# Altium PCB 滑板车模块 - 拼板.PcbDoc (part 8 of 8) (continued)
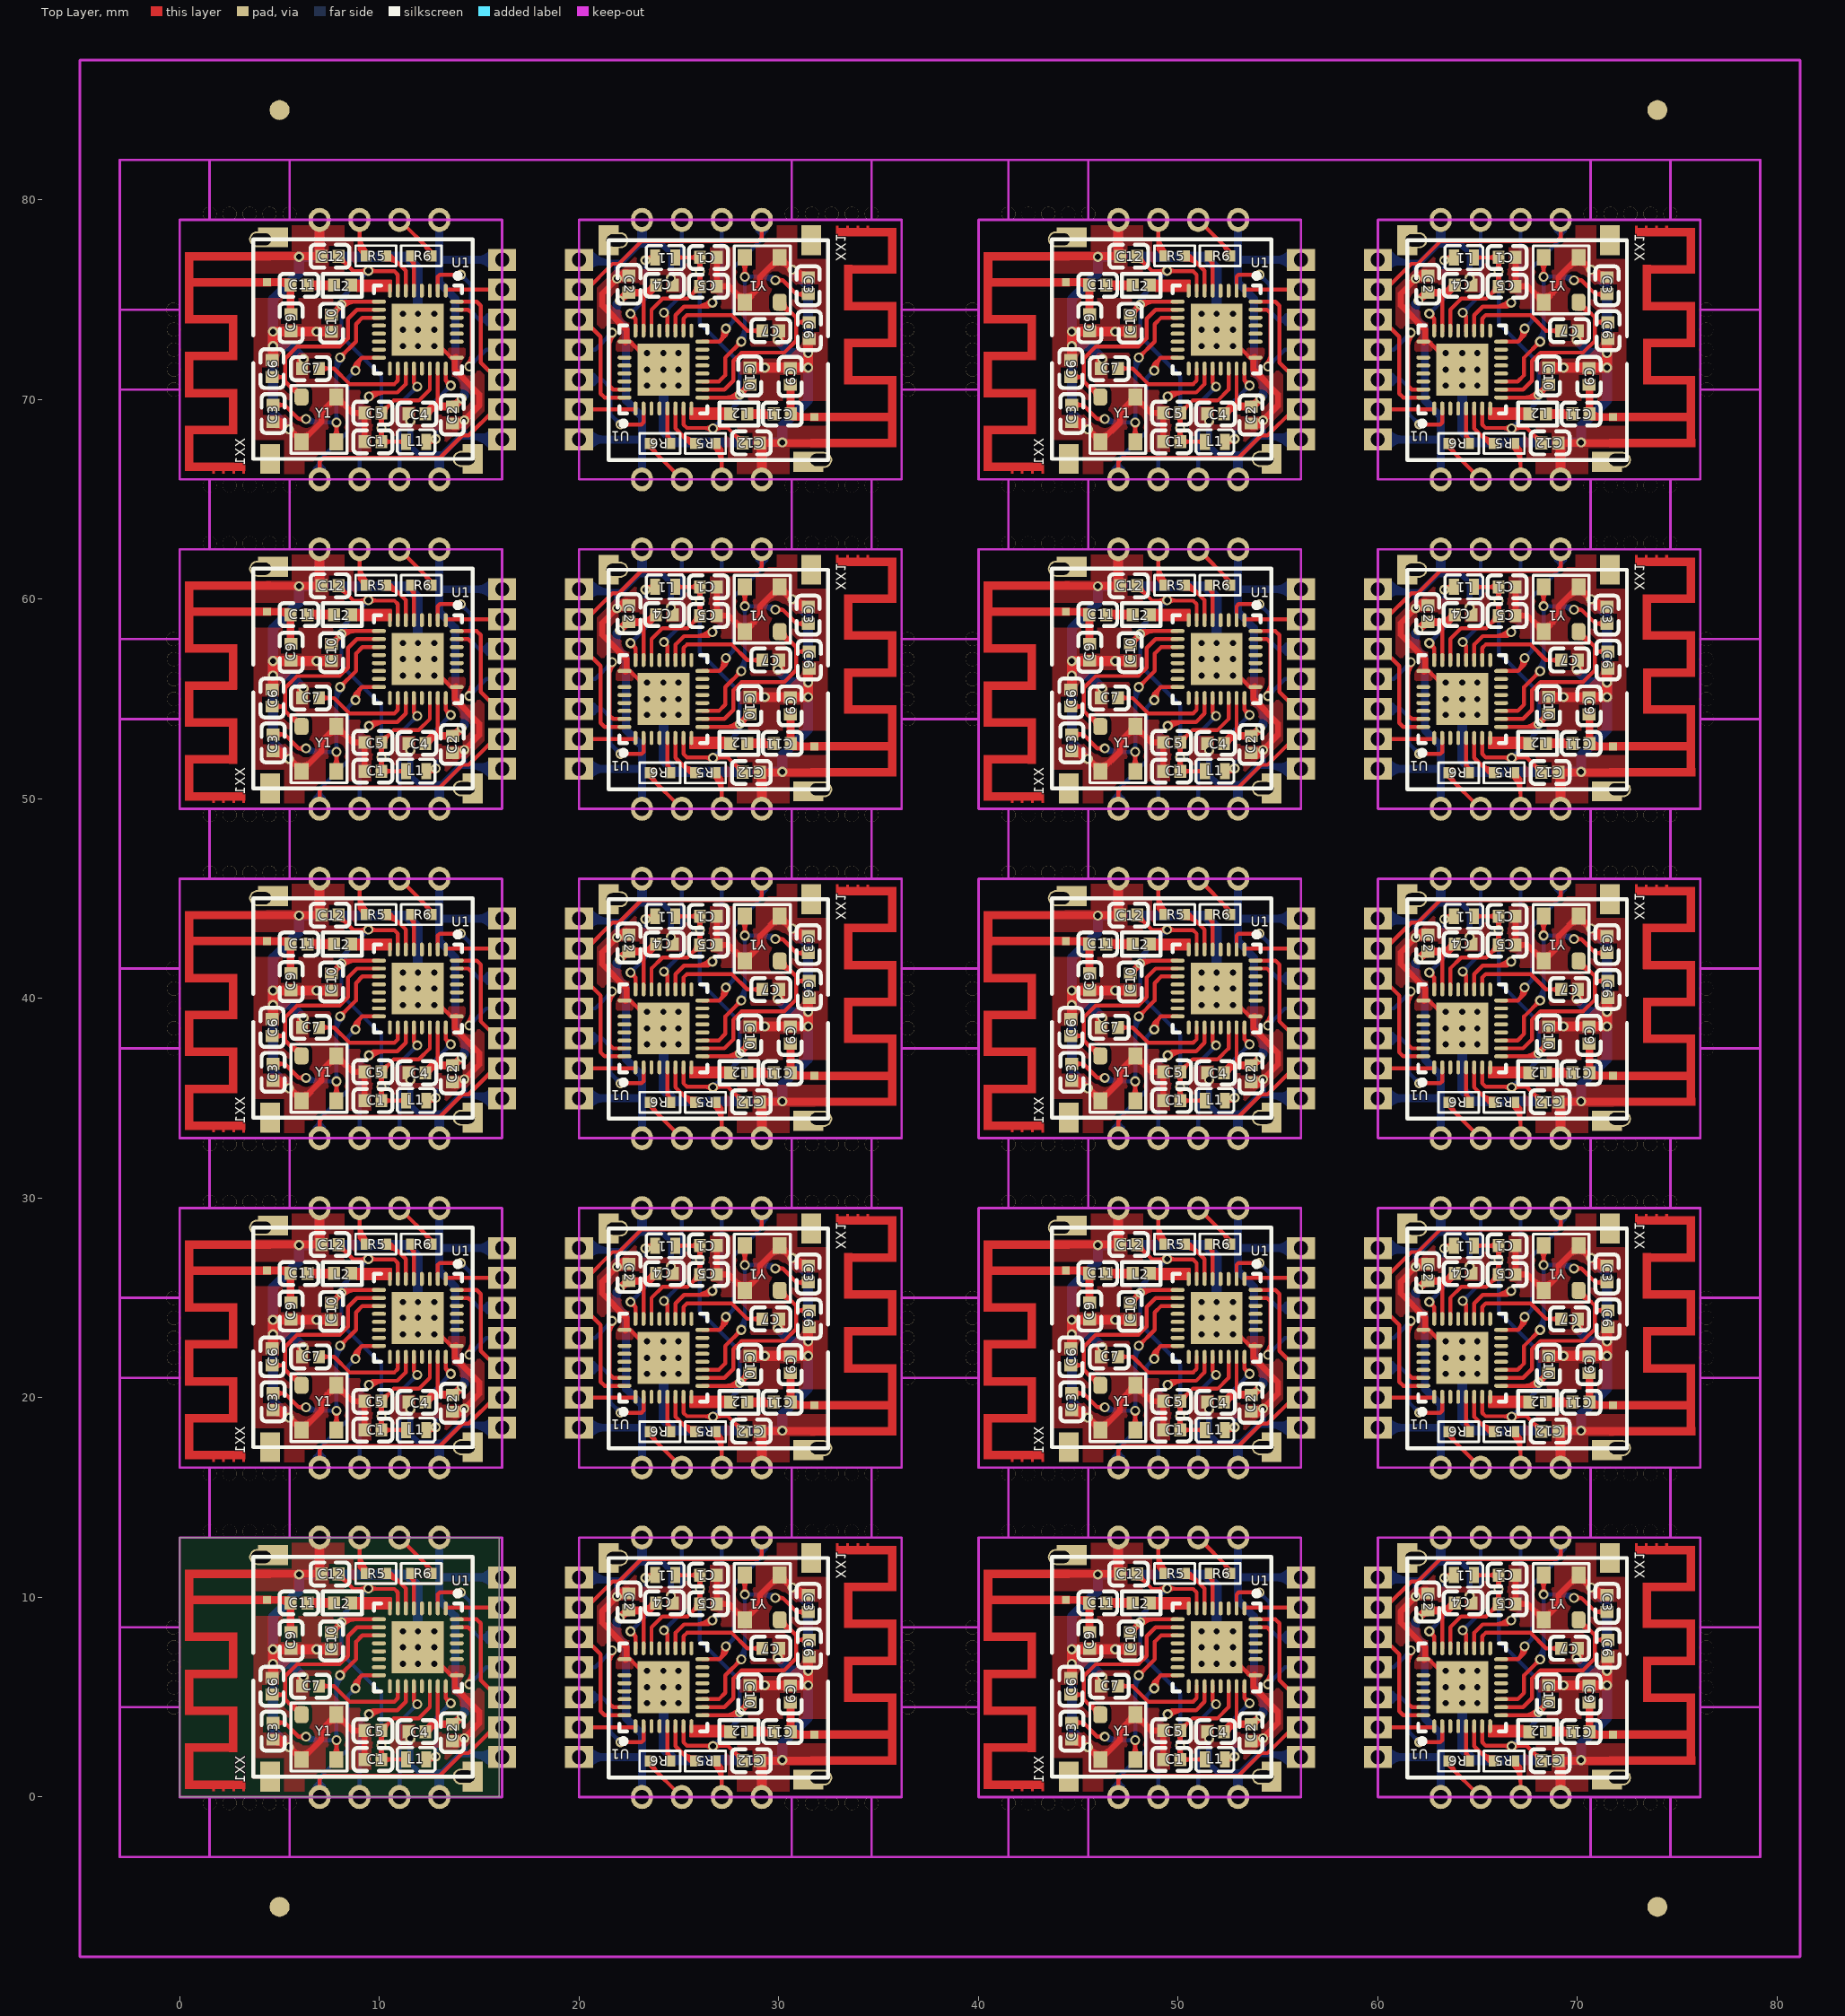
[diagram p0: Top Layer view]
## Keep-outs (continued)

## Other copper
Top Layer:
  pour cut-out: 72.45,68.675 72.45,69.925 65.425,69.925 65.425,69.125 65.875,68.675
  region net NetL2_2: 67.3,69 65.55,69 65.525,69.025 65.525,69.6 67.3,69.6
  pour cut-out: 76.15,66 72.45,66 72.45,79 76.15,79
  pour cut-out: 72.45,52.175 72.45,53.425 65.425,53.425 65.425,52.625 65.875,52.175
  region net NetL2_2: 67.3,52.5 65.55,52.5 65.525,52.525 65.525,53.1 67.3,53.1
  pour cut-out: 76.15,49.5 72.45,49.5 72.45,62.5 76.15,62.5
  pour cut-out: 72.45,35.675 72.45,36.925 65.425,36.925 65.425,36.125 65.875,35.675
  region net NetL2_2: 67.3,36 65.55,36 65.525,36.025 65.525,36.6 67.3,36.6
  pour cut-out: 76.15,33 72.45,33 72.45,46 76.15,46
  pour cut-out: 72.45,19.175 72.45,20.425 65.425,20.425 65.425,19.625 65.875,19.175
  region net NetL2_2: 67.3,19.5 65.55,19.5 65.525,19.525 65.525,20.1 67.3,20.1
  pour cut-out: 76.15,16.5 72.45,16.5 72.45,29.5 76.15,29.5
  pour cut-out: 72.45,2.675 72.45,3.925 65.425,3.925 65.425,3.125 65.875,2.675
  region net NetL2_2: 67.3,3 65.55,3 65.525,3.025 65.525,3.6 67.3,3.6
  pour cut-out: 76.15,0 72.45,0 72.45,13 76.15,13
  pour cut-out: 32.45,68.675 32.45,69.925 25.425,69.925 25.425,69.125 25.875,68.675
  region net NetL2_2: 27.3,69 25.55,69 25.525,69.025 25.525,69.6 27.3,69.6
  pour cut-out: 36.15,66 32.45,66 32.45,79 36.15,79
  pour cut-out: 32.45,52.175 32.45,53.425 25.425,53.425 25.425,52.625 25.875,52.175
  region net NetL2_2: 27.3,52.5 25.55,52.5 25.525,52.525 25.525,53.1 27.3,53.1
  pour cut-out: 36.15,49.5 32.45,49.5 32.45,62.5 36.15,62.5
  pour cut-out: 32.45,35.675 32.45,36.925 25.425,36.925 25.425,36.125 25.875,35.675
  region net NetL2_2: 27.3,36 25.55,36 25.525,36.025 25.525,36.6 27.3,36.6
  pour cut-out: 36.15,33 32.45,33 32.45,46 36.15,46
  pour cut-out: 32.45,19.175 32.45,20.425 25.425,20.425 25.425,19.625 25.875,19.175
  region net NetL2_2: 27.3,19.5 25.55,19.5 25.525,19.525 25.525,20.1 27.3,20.1
  pour cut-out: 36.15,16.5 32.45,16.5 32.45,29.5 36.15,29.5
  pour cut-out: 32.45,2.675 32.45,3.925 25.425,3.925 25.425,3.125 25.875,2.675
  region net NetL2_2: 27.3,3 25.55,3 25.525,3.025 25.525,3.6 27.3,3.6
  pour cut-out: 36.15,0 32.45,0 32.45,13 36.15,13
  pour cut-out: 43.7,76.325 43.7,75.075 50.725,75.075 50.725,75.875 50.275,76.325
  region net NetL2_2: 48.85,76 50.6,76 50.625,75.975 50.625,75.4 48.85,75.4
  pour cut-out: 40,79 43.7,79 43.7,66 40,66
  pour cut-out: 43.7,59.825 43.7,58.575 50.725,58.575 50.725,59.375 50.275,59.825
  region net NetL2_2: 48.85,59.5 50.6,59.5 50.625,59.475 50.625,58.9 48.85,58.9
  pour cut-out: 40,62.5 43.7,62.5 43.7,49.5 40,49.5
  pour cut-out: 43.7,43.325 43.7,42.075 50.725,42.075 50.725,42.875 50.275,43.325
  region net NetL2_2: 48.85,43 50.6,43 50.625,42.975 50.625,42.4 48.85,42.4
  pour cut-out: 40,46 43.7,46 43.7,33 40,33
  pour cut-out: 43.7,26.825 43.7,25.575 50.725,25.575 50.725,26.375 50.275,26.825
  region net NetL2_2: 48.85,26.5 50.6,26.5 50.625,26.475 50.625,25.9 48.85,25.9
  pour cut-out: 40,29.5 43.7,29.5 43.7,16.5 40,16.5
  pour cut-out: 43.7,10.325 43.7,9.075 50.725,9.075 50.725,9.875 50.275,10.325
  region net NetL2_2: 48.85,10 50.6,10 50.625,9.975 50.625,9.4 48.85,9.4
  pour cut-out: 40,13 43.7,13 43.7,0 40,0
  pour cut-out: 3.7,76.325 3.7,75.075 10.725,75.075 10.725,75.875 10.275,76.325
  region net NetL2_2: 8.85,76 10.6,76 10.625,75.975 10.625,75.4 8.85,75.4
  pour cut-out: 0,79 3.7,79 3.7,66 0,66
  pour cut-out: 3.7,59.825 3.7,58.575 10.725,58.575 10.725,59.375 10.275,59.825
  region net NetL2_2: 8.85,59.5 10.6,59.5 10.625,59.475 10.625,58.9 8.85,58.9
  pour cut-out: 0,62.5 3.7,62.5 3.7,49.5 0,49.5
  pour cut-out: 3.7,43.325 3.7,42.075 10.725,42.075 10.725,42.875 10.275,43.325
  region net NetL2_2: 8.85,43 10.6,43 10.625,42.975 10.625,42.4 8.85,42.4
  pour cut-out: 0,46 3.7,46 3.7,33 0,33
  pour cut-out: 3.7,26.825 3.7,25.575 10.725,25.575 10.725,26.375 10.275,26.825
  region net NetL2_2: 8.85,26.5 10.6,26.5 10.625,26.475 10.625,25.9 8.85,25.9
  pour cut-out: 0,29.5 3.7,29.5 3.7,16.5 0,16.5
  pour cut-out: 3.7,10.325 3.7,9.075 10.725,9.075 10.725,9.875 10.275,10.325
  region net NetL2_2: 8.85,10 10.6,10 10.625,9.975 10.625,9.4 8.85,9.4
  pour cut-out: 0,13 3.7,13 3.7,0 0,0
Bottom Layer:
  pour cut-out: 76.15,66 72.45,66 72.45,79 76.15,79
  pour cut-out: 76.15,49.5 72.45,49.5 72.45,62.5 76.15,62.5
  pour cut-out: 76.15,33 72.45,33 72.45,46 76.15,46
  pour cut-out: 76.15,16.5 72.45,16.5 72.45,29.5 76.15,29.5
  pour cut-out: 76.15,0 72.45,0 72.45,13 76.15,13
  pour cut-out: 36.15,66 32.45,66 32.45,79 36.15,79
  pour cut-out: 36.15,49.5 32.45,49.5 32.45,62.5 36.15,62.5
  pour cut-out: 36.15,33 32.45,33 32.45,46 36.15,46
  pour cut-out: 36.15,16.5 32.45,16.5 32.45,29.5 36.15,29.5
  pour cut-out: 36.15,0 32.45,0 32.45,13 36.15,13
  pour cut-out: 40,79 43.7,79 43.7,66 40,66
  pour cut-out: 40,62.5 43.7,62.5 43.7,49.5 40,49.5
  pour cut-out: 40,46 43.7,46 43.7,33 40,33
  pour cut-out: 40,29.5 43.7,29.5 43.7,16.5 40,16.5
  pour cut-out: 40,13 43.7,13 43.7,0 40,0
  pour cut-out: 0,79 3.7,79 3.7,66 0,66
  pour cut-out: 0,62.5 3.7,62.5 3.7,49.5 0,49.5
  pour cut-out: 0,46 3.7,46 3.7,33 0,33
  pour cut-out: 0,29.5 3.7,29.5 3.7,16.5 0,16.5
  pour cut-out: 0,13 3.7,13 3.7,0 0,0

## Silkscreen, mask and mechanical layers (free items; w line width, h text height)
Top Overlay:
  lines w0.2: 3.675,5.825 3.675,1.025 14.675,1.025 14.675,12.025 3.675,12.025 3.675,7.225 ; 3.675,22.325 3.675,17.525 14.675,17.525 14.675,28.525 3.675,28.525 3.675,23.725 ; 3.675,38.825 3.675,34.025 14.675,34.025 14.675,45.025 3.675,45.025 3.675,40.225 ; 3.675,55.325 3.675,50.525 14.675,50.525 14.675,61.525 3.675,61.525 3.675,56.725 ; 3.675,71.825 3.675,67.025 14.675,67.025 14.675,78.025 3.675,78.025 3.675,73.225 ; 32.475,5.775 32.475,0.975 21.475,0.975 21.475,11.975 32.475,11.975 32.475,7.175 ; 32.475,22.275 32.475,17.475 21.475,17.475 21.475,28.475 32.475,28.475 32.475,23.675 ; 32.475,38.775 32.475,33.975 21.475,33.975 21.475,44.975 32.475,44.975 32.475,40.175 ; 32.475,55.275 32.475,50.475 21.475,50.475 21.475,61.475 32.475,61.475 32.475,56.675 ; 32.475,71.775 32.475,66.975 21.475,66.975 21.475,77.975 32.475,77.975 32.475,73.175 ; 43.675,5.825 43.675,1.025 54.675,1.025 54.675,12.025 43.675,12.025 43.675,7.225 ; 43.675,22.325 43.675,17.525 54.675,17.525 54.675,28.525 43.675,28.525 43.675,23.725 ; 43.675,38.825 43.675,34.025 54.675,34.025 54.675,45.025 43.675,45.025 43.675,40.225 ; 43.675,55.325 43.675,50.525 54.675,50.525 54.675,61.525 43.675,61.525 43.675,56.725 ; 43.675,71.825 43.675,67.025 54.675,67.025 54.675,78.025 43.675,78.025 43.675,73.225 ; 72.475,5.775 72.475,0.975 61.475,0.975 61.475,11.975 72.475,11.975 72.475,7.175 ; 72.475,22.275 72.475,17.475 61.475,17.475 61.475,28.475 72.475,28.475 72.475,23.675 ; 72.475,38.775 72.475,33.975 61.475,33.975 61.475,44.975 72.475,44.975 72.475,40.175 ; 72.475,55.275 72.475,50.475 61.475,50.475 61.475,61.475 72.475,61.475 72.475,56.675 ; 72.475,71.775 72.475,66.975 61.475,66.975 61.475,77.975 72.475,77.975 72.475,73.175
Bottom Overlay:
  text "GND" at 25.05,77.575 h0.7 r90
  text "TX" at 26.475,77.575 h0.7 r90
  text "RX" at 27.808,77.575 h0.7 r90
  text "RSTN" at 29.15,77.575 h0.7 r90
  text "GND" at 65.05,77.575 h0.7 r90
  text "TX" at 66.475,77.575 h0.7 r90
  text "RX" at 67.808,77.575 h0.7 r90
  text "RSTN" at 69.15,77.575 h0.7 r90
  text "JYD-HBC" at 1.425,77.35 h0.8 r90
  text "JYD-HBC" at 41.425,77.35 h0.8 r90
  text "GND" at 21.275,77.1 h0.7 r180
  text "GND" at 61.275,77.1 h0.7 r180
  text "3V3" at 14.875,76.575 h0.7
  text "3V3" at 54.875,76.575 h0.7
  text "GND" at 7.4,75.75 h0.7 r270
  text "BTX" at 8.617,75.75 h0.7 r270
  text "BRX" at 9.833,75.75 h0.7 r270
  text "3V3" at 11.05,75.75 h0.7 r270
  text "GND" at 47.4,75.75 h0.7 r270
  text "BTX" at 48.617,75.75 h0.7 r270
  text "BRX" at 49.833,75.75 h0.7 r270
  text "3V3" at 51.05,75.75 h0.7 r270
  text "RSTN" at 21.275,75.654 h0.7 r180
  text "RSTN" at 61.275,75.654 h0.7 r180
  text "20-11-06" at 2.6,75.55 h0.8 r90
  text "20-11-06" at 42.6,75.55 h0.8 r90
  text "20-11-06" at 2.575,75.525 h0.8 r90
  text "20-11-06" at 42.575,75.525 h0.8 r90
  text "TOUCH" at 14.925,75.05 h0.7
  text "TOUCH" at 54.925,75.05 h0.7
  text "P06" at 21.275,74.208 h0.7 r180
  text "P06" at 61.275,74.208 h0.7 r180
  text "DET_FP" at 15,73.65 h0.7
  text "V1.4" at 34.75,73.65 h0.8 r270
  text "DET_FP" at 55,73.65 h0.7
  text "V1.4" at 74.75,73.65 h0.8 r270
  text "P07" at 21.275,72.763 h0.7 r180
  text "P07" at 61.275,72.763 h0.7 r180
  text "P07" at 14.875,72.237 h0.7
  text "P07" at 54.875,72.237 h0.7
  text "V1.4" at 1.4,71.35 h0.8 r90
  text "DET_FP" at 21.15,71.35 h0.7 r180
  text "V1.4" at 41.4,71.35 h0.8 r90
  text "DET_FP" at 61.15,71.35 h0.7 r180
  text "P06" at 14.875,70.792 h0.7
  text "P06" at 54.875,70.792 h0.7
  text "TOUCH" at 21.225,69.95 h0.7 r180
  text "TOUCH" at 61.225,69.95 h0.7 r180
  text "20-11-06" at 33.575,69.475 h0.8 r270
  text "20-11-06" at 73.575,69.475 h0.8 r270
  text "20-11-06" at 33.55,69.45 h0.8 r270
  text "20-11-06" at 73.55,69.45 h0.8 r270
  text "RSTN" at 14.875,69.346 h0.7
  text "RSTN" at 54.875,69.346 h0.7
  text "3V3" at 25.1,69.25 h0.7 r90
  text "BRX" at 26.317,69.25 h0.7 r90
  text "BTX" at 27.533,69.25 h0.7 r90
  text "GND" at 28.75,69.25 h0.7 r90
  text "3V3" at 65.1,69.25 h0.7 r90
  text "BRX" at 66.317,69.25 h0.7 r90
  text "BTX" at 67.533,69.25 h0.7 r90
  text "GND" at 68.75,69.25 h0.7 r90
  text "3V3" at 21.275,68.425 h0.7 r180
  text "3V3" at 61.275,68.425 h0.7 r180
  text "GND" at 14.875,67.9 h0.7
  text "GND" at 54.875,67.9 h0.7
  text "JYD-HBC" at 34.725,67.65 h0.8 r270
  text "JYD-HBC" at 74.725,67.65 h0.8 r270
  text "RSTN" at 7,67.425 h0.7 r270
  text "RX" at 8.342,67.425 h0.7 r270
  text "TX" at 9.675,67.425 h0.7 r270
  text "GND" at 11.1,67.425 h0.7 r270
  text "RSTN" at 47,67.425 h0.7 r270
  text "RX" at 48.342,67.425 h0.7 r270
  text "TX" at 49.675,67.425 h0.7 r270
  text "GND" at 51.1,67.425 h0.7 r270
  text "GND" at 25.05,61.075 h0.7 r90
  text "TX" at 26.475,61.075 h0.7 r90
  text "RX" at 27.808,61.075 h0.7 r90
  text "RSTN" at 29.15,61.075 h0.7 r90
  text "GND" at 65.05,61.075 h0.7 r90
  text "TX" at 66.475,61.075 h0.7 r90
  text "RX" at 67.808,61.075 h0.7 r90
  text "RSTN" at 69.15,61.075 h0.7 r90
  text "JYD-HBC" at 1.425,60.85 h0.8 r90
  text "JYD-HBC" at 41.425,60.85 h0.8 r90
  text "GND" at 21.275,60.6 h0.7 r180
  text "GND" at 61.275,60.6 h0.7 r180
  text "3V3" at 14.875,60.075 h0.7
  text "3V3" at 54.875,60.075 h0.7
  text "GND" at 7.4,59.25 h0.7 r270
  text "BTX" at 8.617,59.25 h0.7 r270
  text "BRX" at 9.833,59.25 h0.7 r270
  text "3V3" at 11.05,59.25 h0.7 r270
  text "GND" at 47.4,59.25 h0.7 r270
  text "BTX" at 48.617,59.25 h0.7 r270
  text "BRX" at 49.833,59.25 h0.7 r270
  text "3V3" at 51.05,59.25 h0.7 r270
  text "RSTN" at 21.275,59.154 h0.7 r180
  text "RSTN" at 61.275,59.154 h0.7 r180
  text "20-11-06" at 2.6,59.05 h0.8 r90
  text "20-11-06" at 42.6,59.05 h0.8 r90
  text "20-11-06" at 2.575,59.025 h0.8 r90
  text "20-11-06" at 42.575,59.025 h0.8 r90
  text "TOUCH" at 14.925,58.55 h0.7
  text "TOUCH" at 54.925,58.55 h0.7
  text "P06" at 21.275,57.708 h0.7 r180
  text "P06" at 61.275,57.708 h0.7 r180
  text "DET_FP" at 15,57.15 h0.7
  text "V1.4" at 34.75,57.15 h0.8 r270
  text "DET_FP" at 55,57.15 h0.7
  text "V1.4" at 74.75,57.15 h0.8 r270
  text "P07" at 21.275,56.263 h0.7 r180
  text "P07" at 61.275,56.263 h0.7 r180
  text "P07" at 14.875,55.737 h0.7
  text "P07" at 54.875,55.737 h0.7
  text "V1.4" at 1.4,54.85 h0.8 r90
  text "DET_FP" at 21.15,54.85 h0.7 r180
  text "V1.4" at 41.4,54.85 h0.8 r90
  text "DET_FP" at 61.15,54.85 h0.7 r180
  text "P06" at 14.875,54.292 h0.7
  text "P06" at 54.875,54.292 h0.7
  text "TOUCH" at 21.225,53.45 h0.7 r180
  text "TOUCH" at 61.225,53.45 h0.7 r180
  text "20-11-06" at 33.575,52.975 h0.8 r270
  text "20-11-06" at 73.575,52.975 h0.8 r270
  text "20-11-06" at 33.55,52.95 h0.8 r270
  text "20-11-06" at 73.55,52.95 h0.8 r270
  text "RSTN" at 14.875,52.846 h0.7
  text "RSTN" at 54.875,52.846 h0.7
  text "3V3" at 25.1,52.75 h0.7 r90
  text "BRX" at 26.317,52.75 h0.7 r90
  text "BTX" at 27.533,52.75 h0.7 r90
  text "GND" at 28.75,52.75 h0.7 r90
  text "3V3" at 65.1,52.75 h0.7 r90
  text "BRX" at 66.317,52.75 h0.7 r90
  text "BTX" at 67.533,52.75 h0.7 r90
  text "GND" at 68.75,52.75 h0.7 r90
  text "3V3" at 21.275,51.925 h0.7 r180
  text "3V3" at 61.275,51.925 h0.7 r180
  text "GND" at 14.875,51.4 h0.7
  text "GND" at 54.875,51.4 h0.7
  text "JYD-HBC" at 34.725,51.15 h0.8 r270
  text "JYD-HBC" at 74.725,51.15 h0.8 r270
  text "RSTN" at 7,50.925 h0.7 r270
  text "RX" at 8.342,50.925 h0.7 r270
  text "TX" at 9.675,50.925 h0.7 r270
  text "GND" at 11.1,50.925 h0.7 r270
  text "RSTN" at 47,50.925 h0.7 r270
  text "RX" at 48.342,50.925 h0.7 r270
  text "TX" at 49.675,50.925 h0.7 r270
  text "GND" at 51.1,50.925 h0.7 r270
  text "GND" at 25.05,44.575 h0.7 r90
  text "TX" at 26.475,44.575 h0.7 r90
  text "RX" at 27.808,44.575 h0.7 r90
  text "RSTN" at 29.15,44.575 h0.7 r90
  text "GND" at 65.05,44.575 h0.7 r90
  text "TX" at 66.475,44.575 h0.7 r90
  text "RX" at 67.808,44.575 h0.7 r90
  text "RSTN" at 69.15,44.575 h0.7 r90
  text "JYD-HBC" at 1.425,44.35 h0.8 r90
  text "JYD-HBC" at 41.425,44.35 h0.8 r90
  text "GND" at 21.275,44.1 h0.7 r180
  text "GND" at 61.275,44.1 h0.7 r180
  text "3V3" at 14.875,43.575 h0.7
  text "3V3" at 54.875,43.575 h0.7
  text "GND" at 7.4,42.75 h0.7 r270
  text "BTX" at 8.617,42.75 h0.7 r270
  text "BRX" at 9.833,42.75 h0.7 r270
  text "3V3" at 11.05,42.75 h0.7 r270
  text "GND" at 47.4,42.75 h0.7 r270
  text "BTX" at 48.617,42.75 h0.7 r270
  text "BRX" at 49.833,42.75 h0.7 r270
  text "3V3" at 51.05,42.75 h0.7 r270
  text "RSTN" at 21.275,42.654 h0.7 r180
  text "RSTN" at 61.275,42.654 h0.7 r180
  text "20-11-06" at 2.6,42.55 h0.8 r90
  text "20-11-06" at 42.6,42.55 h0.8 r90
  text "20-11-06" at 2.575,42.525 h0.8 r90
  text "20-11-06" at 42.575,42.525 h0.8 r90
  text "TOUCH" at 14.925,42.05 h0.7
  text "TOUCH" at 54.925,42.05 h0.7
  text "P06" at 21.275,41.208 h0.7 r180
  text "P06" at 61.275,41.208 h0.7 r180
  text "DET_FP" at 15,40.65 h0.7
  text "V1.4" at 34.75,40.65 h0.8 r270
  text "DET_FP" at 55,40.65 h0.7
  text "V1.4" at 74.75,40.65 h0.8 r270
  text "P07" at 21.275,39.763 h0.7 r180
  text "P07" at 61.275,39.763 h0.7 r180
  text "P07" at 14.875,39.237 h0.7
  text "P07" at 54.875,39.237 h0.7
  text "V1.4" at 1.4,38.35 h0.8 r90
  text "DET_FP" at 21.15,38.35 h0.7 r180
  text "V1.4" at 41.4,38.35 h0.8 r90
  text "DET_FP" at 61.15,38.35 h0.7 r180
  text "P06" at 14.875,37.792 h0.7
  text "P06" at 54.875,37.792 h0.7
  text "TOUCH" at 21.225,36.95 h0.7 r180
  text "TOUCH" at 61.225,36.95 h0.7 r180
  text "20-11-06" at 33.575,36.475 h0.8 r270
  text "20-11-06" at 73.575,36.475 h0.8 r270
  text "20-11-06" at 33.55,36.45 h0.8 r270
  text "20-11-06" at 73.55,36.45 h0.8 r270
  text "RSTN" at 14.875,36.346 h0.7
  text "RSTN" at 54.875,36.346 h0.7
  text "3V3" at 25.1,36.25 h0.7 r90
  text "BRX" at 26.317,36.25 h0.7 r90
  text "BTX" at 27.533,36.25 h0.7 r90
  text "GND" at 28.75,36.25 h0.7 r90
  text "3V3" at 65.1,36.25 h0.7 r90
  text "BRX" at 66.317,36.25 h0.7 r90
  text "BTX" at 67.533,36.25 h0.7 r90
  text "GND" at 68.75,36.25 h0.7 r90
  text "3V3" at 21.275,35.425 h0.7 r180
  text "3V3" at 61.275,35.425 h0.7 r180
  text "GND" at 14.875,34.9 h0.7
  text "GND" at 54.875,34.9 h0.7
  text "JYD-HBC" at 34.725,34.65 h0.8 r270
  text "JYD-HBC" at 74.725,34.65 h0.8 r270
  text "RSTN" at 7,34.425 h0.7 r270
  text "RX" at 8.342,34.425 h0.7 r270
  text "TX" at 9.675,34.425 h0.7 r270
  text "GND" at 11.1,34.425 h0.7 r270
  text "RSTN" at 47,34.425 h0.7 r270
  text "RX" at 48.342,34.425 h0.7 r270
  text "TX" at 49.675,34.425 h0.7 r270
  text "GND" at 51.1,34.425 h0.7 r270
  text "GND" at 25.05,28.075 h0.7 r90
  text "TX" at 26.475,28.075 h0.7 r90
  text "RX" at 27.808,28.075 h0.7 r90
  text "RSTN" at 29.15,28.075 h0.7 r90
  text "GND" at 65.05,28.075 h0.7 r90
  text "TX" at 66.475,28.075 h0.7 r90
  text "RX" at 67.808,28.075 h0.7 r90
  text "RSTN" at 69.15,28.075 h0.7 r90
  text "JYD-HBC" at 1.425,27.85 h0.8 r90
  text "JYD-HBC" at 41.425,27.85 h0.8 r90
  text "GND" at 21.275,27.6 h0.7 r180
  text "GND" at 61.275,27.6 h0.7 r180
  text "3V3" at 14.875,27.075 h0.7
  text "3V3" at 54.875,27.075 h0.7
  text "GND" at 7.4,26.25 h0.7 r270
  text "BTX" at 8.617,26.25 h0.7 r270
  text "BRX" at 9.833,26.25 h0.7 r270
  text "3V3" at 11.05,26.25 h0.7 r270
  text "GND" at 47.4,26.25 h0.7 r270
  text "BTX" at 48.617,26.25 h0.7 r270
  text "BRX" at 49.833,26.25 h0.7 r270
  text "3V3" at 51.05,26.25 h0.7 r270
  text "RSTN" at 21.275,26.154 h0.7 r180
  text "RSTN" at 61.275,26.154 h0.7 r180
  text "20-11-06" at 2.6,26.05 h0.8 r90
  text "20-11-06" at 42.6,26.05 h0.8 r90
  text "20-11-06" at 2.575,26.025 h0.8 r90
  text "20-11-06" at 42.575,26.025 h0.8 r90
  text "TOUCH" at 14.925,25.55 h0.7
  text "TOUCH" at 54.925,25.55 h0.7
  text "P06" at 21.275,24.708 h0.7 r180
  text "P06" at 61.275,24.708 h0.7 r180
  text "DET_FP" at 15,24.15 h0.7
  text "V1.4" at 34.75,24.15 h0.8 r270
  text "DET_FP" at 55,24.15 h0.7
  text "V1.4" at 74.75,24.15 h0.8 r270
  text "P07" at 21.275,23.263 h0.7 r180
  text "P07" at 61.275,23.263 h0.7 r180
  text "P07" at 14.875,22.737 h0.7
  text "P07" at 54.875,22.737 h0.7
  text "V1.4" at 1.4,21.85 h0.8 r90
  text "DET_FP" at 21.15,21.85 h0.7 r180
  text "V1.4" at 41.4,21.85 h0.8 r90
  text "DET_FP" at 61.15,21.85 h0.7 r180
  text "P06" at 14.875,21.292 h0.7
  text "P06" at 54.875,21.292 h0.7
  text "TOUCH" at 21.225,20.45 h0.7 r180
  text "TOUCH" at 61.225,20.45 h0.7 r180
  text "20-11-06" at 33.575,19.975 h0.8 r270
  text "20-11-06" at 73.575,19.975 h0.8 r270
  text "20-11-06" at 33.55,19.95 h0.8 r270
  text "20-11-06" at 73.55,19.95 h0.8 r270
  text "RSTN" at 14.875,19.846 h0.7
  text "RSTN" at 54.875,19.846 h0.7
  text "3V3" at 25.1,19.75 h0.7 r90
  text "BRX" at 26.317,19.75 h0.7 r90
  text "BTX" at 27.533,19.75 h0.7 r90
  text "GND" at 28.75,19.75 h0.7 r90
  text "3V3" at 65.1,19.75 h0.7 r90
  text "BRX" at 66.317,19.75 h0.7 r90
  text "BTX" at 67.533,19.75 h0.7 r90
  text "GND" at 68.75,19.75 h0.7 r90
  text "3V3" at 21.275,18.925 h0.7 r180
  text "3V3" at 61.275,18.925 h0.7 r180
  text "GND" at 14.875,18.4 h0.7
  text "GND" at 54.875,18.4 h0.7
  text "JYD-HBC" at 34.725,18.15 h0.8 r270
  text "JYD-HBC" at 74.725,18.15 h0.8 r270
  text "RSTN" at 7,17.925 h0.7 r270
  text "RX" at 8.342,17.925 h0.7 r270
  text "TX" at 9.675,17.925 h0.7 r270
  text "GND" at 11.1,17.925 h0.7 r270
  text "RSTN" at 47,17.925 h0.7 r270
  text "RX" at 48.342,17.925 h0.7 r270
  text "TX" at 49.675,17.925 h0.7 r270
  text "GND" at 51.1,17.925 h0.7 r270
  text "GND" at 25.05,11.575 h0.7 r90
  text "TX" at 26.475,11.575 h0.7 r90
  text "RX" at 27.808,11.575 h0.7 r90
  text "RSTN" at 29.15,11.575 h0.7 r90
  text "GND" at 65.05,11.575 h0.7 r90
  text "TX" at 66.475,11.575 h0.7 r90
  text "RX" at 67.808,11.575 h0.7 r90
  text "RSTN" at 69.15,11.575 h0.7 r90
  text "JYD-HBC" at 1.425,11.35 h0.8 r90
  text "JYD-HBC" at 41.425,11.35 h0.8 r90
  text "GND" at 21.275,11.1 h0.7 r180
  text "GND" at 61.275,11.1 h0.7 r180
  text "3V3" at 14.875,10.575 h0.7
  text "3V3" at 54.875,10.575 h0.7
  text "GND" at 7.4,9.75 h0.7 r270
  text "BTX" at 8.617,9.75 h0.7 r270
  text "BRX" at 9.833,9.75 h0.7 r270
  text "3V3" at 11.05,9.75 h0.7 r270
  text "GND" at 47.4,9.75 h0.7 r270
  text "BTX" at 48.617,9.75 h0.7 r270
  text "BRX" at 49.833,9.75 h0.7 r270
  text "3V3" at 51.05,9.75 h0.7 r270
  text "RSTN" at 21.275,9.654 h0.7 r180
  text "RSTN" at 61.275,9.654 h0.7 r180
  text "20-11-06" at 2.6,9.55 h0.8 r90
  text "20-11-06" at 42.6,9.55 h0.8 r90
  text "20-11-06" at 2.575,9.525 h0.8 r90
  text "20-11-06" at 42.575,9.525 h0.8 r90
  text "TOUCH" at 14.925,9.05 h0.7
  text "TOUCH" at 54.925,9.05 h0.7
  text "P06" at 21.275,8.208 h0.7 r180
  text "P06" at 61.275,8.208 h0.7 r180
  text "DET_FP" at 15,7.65 h0.7
  text "V1.4" at 34.75,7.65 h0.8 r270
  text "DET_FP" at 55,7.65 h0.7
  text "V1.4" at 74.75,7.65 h0.8 r270
  text "P07" at 21.275,6.763 h0.7 r180
  text "P07" at 61.275,6.763 h0.7 r180
  text "P07" at 14.875,6.237 h0.7
  text "P07" at 54.875,6.237 h0.7
  text "V1.4" at 1.4,5.35 h0.8 r90
  text "DET_FP" at 21.15,5.35 h0.7 r180
  text "V1.4" at 41.4,5.35 h0.8 r90
  text "DET_FP" at 61.15,5.35 h0.7 r180
  text "P06" at 14.875,4.792 h0.7
  text "P06" at 54.875,4.792 h0.7
  text "TOUCH" at 21.225,3.95 h0.7 r180
  text "TOUCH" at 61.225,3.95 h0.7 r180
  text "20-11-06" at 33.575,3.475 h0.8 r270
  text "20-11-06" at 73.575,3.475 h0.8 r270
  text "20-11-06" at 33.55,3.45 h0.8 r270
  text "20-11-06" at 73.55,3.45 h0.8 r270
  text "RSTN" at 14.875,3.346 h0.7
  text "RSTN" at 54.875,3.346 h0.7
  text "3V3" at 25.1,3.25 h0.7 r90
  text "BRX" at 26.317,3.25 h0.7 r90
  text "BTX" at 27.533,3.25 h0.7 r90
  text "GND" at 28.75,3.25 h0.7 r90
  text "3V3" at 65.1,3.25 h0.7 r90
  text "BRX" at 66.317,3.25 h0.7 r90
  text "BTX" at 67.533,3.25 h0.7 r90
  text "GND" at 68.75,3.25 h0.7 r90
  text "3V3" at 21.275,2.425 h0.7 r180
  text "3V3" at 61.275,2.425 h0.7 r180
  text "GND" at 14.875,1.9 h0.7
  text "GND" at 54.875,1.9 h0.7
  text "JYD-HBC" at 34.725,1.65 h0.8 r270
  text "JYD-HBC" at 74.725,1.65 h0.8 r270
  text "RSTN" at 7,1.425 h0.7 r270
  text "RX" at 8.342,1.425 h0.7 r270
  text "TX" at 9.675,1.425 h0.7 r270
  text "GND" at 11.1,1.425 h0.7 r270
  text "RSTN" at 47,1.425 h0.7 r270
  text "RX" at 48.342,1.425 h0.7 r270
  text "TX" at 49.675,1.425 h0.7 r270
  text "GND" at 51.1,1.425 h0.7 r270